# Altium PCB Ascii of Main Board V1.1.PcbDoc (part 3 of 3)
Units mm, origin at the board's own origin, x right, y up, seen from the top; angles counter-clockwise.
Board outline 116 x 140 mm, 2 copper layers (Top Layer, Bottom Layer), stack 1.58 mm thick; 266 components, 218 nets, 891 pads, 555 vias.
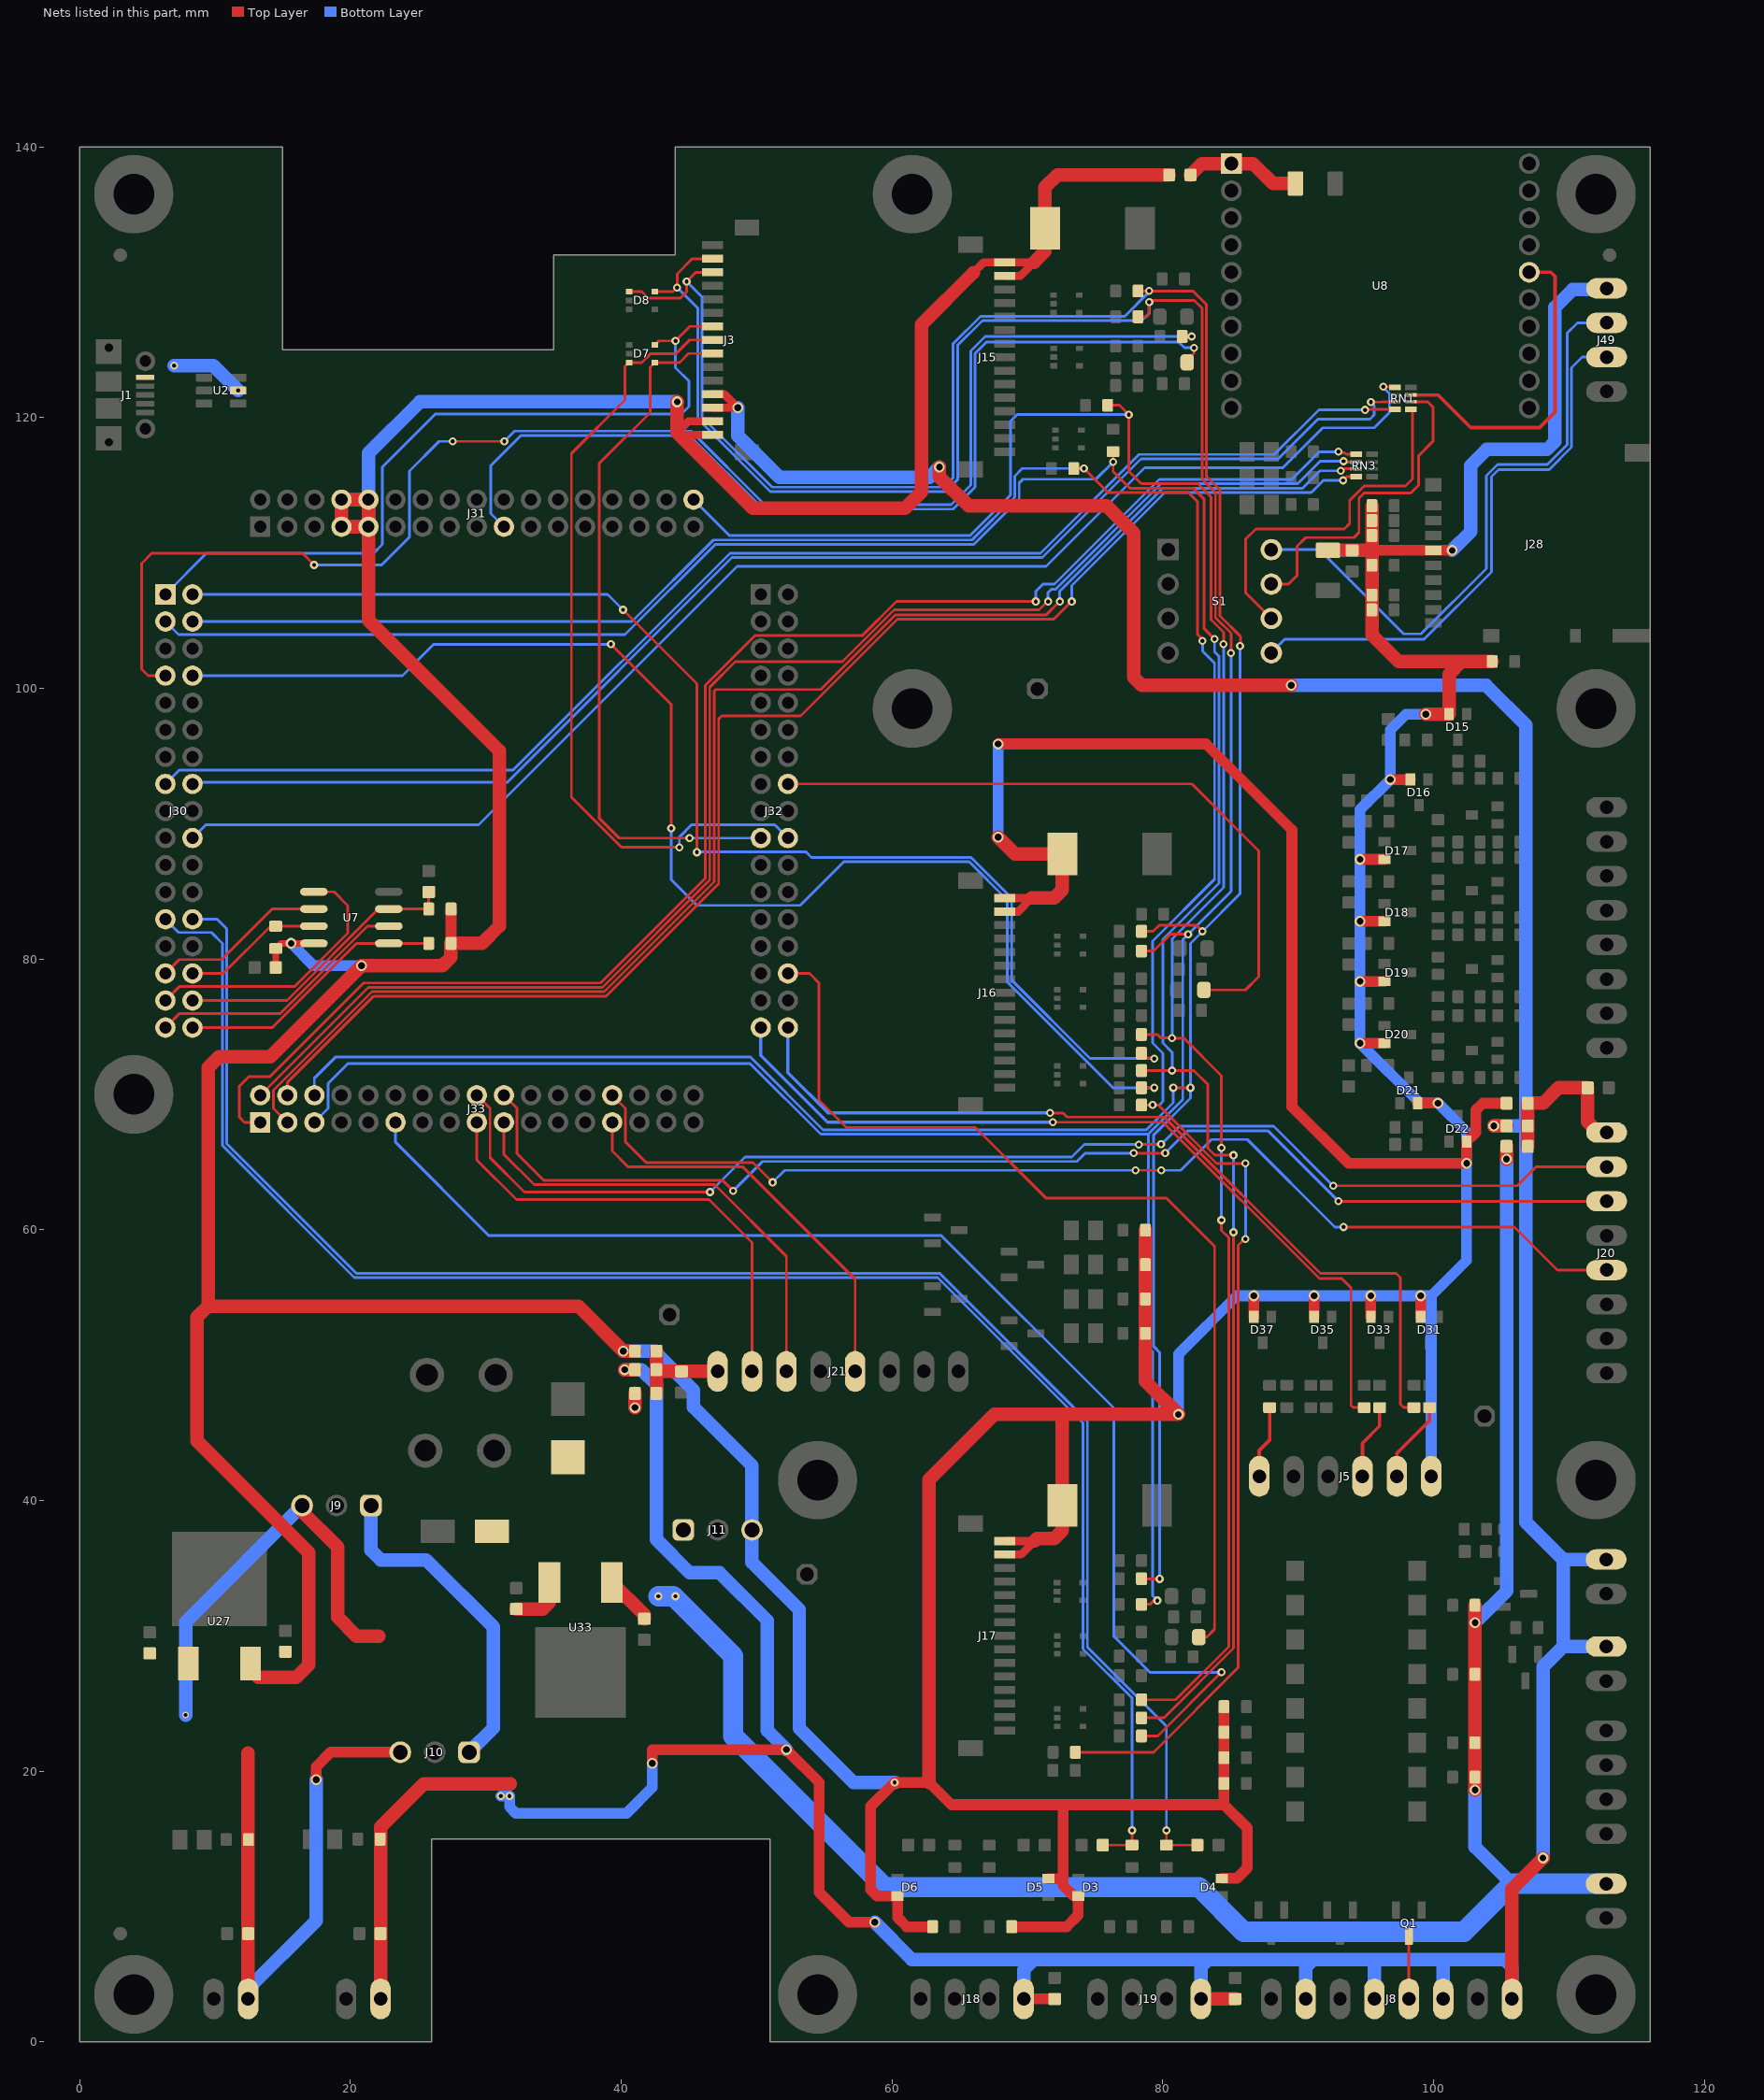
[diagram p3: the nets of this part, all layers, seen from the top]

## Via types
v1: diameter 0.6, hole 0.3, Top Layer to Bottom Layer, tented both sides, 520 vias
v2: diameter 0.8, hole 0.5, Top Layer to Bottom Layer, tented both sides, 34 vias
v3: diameter 0.5, hole 0.3, Top Layer to Bottom Layer, 1 vias

## Nets (pads, with @x,y where several pads share a name; then routed paths per layer and width w, separated by ;. In a path a pad name is that pad's centre, name@x,y a point inside that pad or via, vN(x,y) a via of type N, cw(c..) or ccw(c..) an arc to the next point about the centre after c; other vN are vias at no path point) (continued)
PD30: C56.2 J30.25 R48.1 | length 126.8
  Top Layer w0.2: C56.2@75.565,14.541 R48.1@77.724,14.541 v1(77.724,15.621)
  Bottom Layer w0.2: J30.25@6.337,82.932 7.312,81.957 9.737,81.957 10.547,81.147 10.547,66.209 20.294,56.462 63.364,56.462 74.108,45.718 74.108,29.025 77.724,25.409 v1(77.724,15.621)
PE0: J30.2 R84.1 | length 97.2
  Top Layer w0.2: v1(40.132,105.791) 45.593,100.33 v1(45.593,87.884) ; R84.1@78.422,73.025 78.422,72.997 78.722,72.697 79.322,72.697 v1(79.375,72.644)
  Bottom Layer w0.2: J30.2@8.337,106.932 38.991,106.932 v1(40.132,105.791) ; v1(45.593,87.884) 45.616,87.907 53.65,87.907 54.054,87.503 65.837,87.503 68.84,84.5 68.84,78.432 74.628,72.644 v1(79.375,72.644)
PE1: D7.5 J3.7 J30.1 | length 57.9
  Top Layer w0.2: D7.5@42.479,125.364 42.779,125.664 v1(44.008,125.664) 45.075,126.731 J3.7@46.753,126.731
  Bottom Layer w0.2: J30.1@6.337,106.932 9.387,109.982 21.717,109.982 22.362,110.627 22.362,116.342 26.289,120.269 44.45,120.269 45.002,120.821 45.002,122.691 44.008,123.686 v1(44.008,125.664)
PE2: J30.7 R87.2 | length 109
  Top Layer w0.2: J30.7@6.337,100.932 5.052,100.932 4.572,101.412 4.572,109.22 5.334,109.982 16.445,109.982 v1(17.32,109.106) ; v1(27.559,118.237) v1(31.369,118.237) ; R87.2@81.428,125.984 v1(82.127,125.984)
  Bottom Layer w0.2: v1(17.32,109.106) 22.312,109.106 24.362,111.157 24.362,116.05 26.549,118.237 v1(27.559,118.237) ; v1(31.369,118.237) 32.131,118.999 45.161,118.999 50.604,113.556 64.366,113.556 65.816,115.006 65.816,124.871 65.825,124.88 65.825,124.929 66.881,125.984 v1@82.296,125.984
PE3: J30.8 R95.1 | length 100.3
  Top Layer w0.2: v1(39.243,103.251) 43.688,98.806 v1(43.688,89.662) ; R95.1@78.422,70.485 v1(79.375,70.485)
  Bottom Layer w0.2: J30.8@8.337,100.932 23.843,100.932 26.162,103.251 v1(39.243,103.251) ; v1(43.688,89.662) 43.688,85.854 45.585,83.957 53.223,83.957 56.444,87.178 65.702,87.178 68.515,84.365 68.515,78.297 76.327,70.485 v1(79.375,70.485)
PE4: C57.2 J30.26 R49.1 | length 126.8
  Top Layer w0.2: v1(80.264,15.621) R49.1@80.264,14.541 C57.2@82.55,14.541
  Bottom Layer w0.2: J30.26@8.337,82.932 10.159,82.932 10.872,82.219 10.872,66.344 20.429,56.787 63.498,56.787 74.433,45.852 74.433,29.159 80.264,23.328 v1(80.264,15.621)
PE5: J33.11 R94.1 | length 96.4
  Top Layer w0.2: R94.1@78.422,22.606 79.629,22.606 v1(84.328,27.305)
  Bottom Layer w0.2: J33.11@23.337,67.932 23.337,66.452 30.209,59.58 63.626,59.58 76.383,46.823 76.383,29.967 79.045,27.305 v1(84.328,27.305)
PUL-: J8.4 Q1.3 | length 4.6
  Top Layer w0.2: J8.4@98.171,3.175 Q1.3@98.171,7.783
QCS: J30.34 R101.1 U7.1 | length 20
  Top Layer w0.2: J30.34@8.337,74.932 14.226,74.932 20.447,81.153 U7.1@22.836,81.153 R101.1@25.781,81.153
QIO0: J30.31 U7.5 | length 20.5
  Top Layer w0.2: J30.31@6.337,76.932 7.362,77.957 15.872,77.957 19.812,81.897 19.812,83.947 18.796,84.963 U7.5@17.301,84.963
QIO1: J30.33 U7.2 | length 19.6
  Top Layer w0.2: J30.33@6.337,74.932 7.362,75.957 14.791,75.957 21.257,82.423 U7.2@22.836,82.423
QIO2: C28.2 J30.32 R26.1 U7.3 | length 21.5
  Top Layer w0.2: J30.32@8.337,76.932 15.307,76.932 22.068,83.693 U7.3@22.836,83.693 R26.1@25.784,83.693 C28.2@25.784,84.95
QIO3: J30.30 R25.1 U7.7 | length 10.4
  Top Layer w0.2: J30.30@8.337,78.932 10.606,78.932 14.097,82.423 R25.1@14.481,82.423 U7.7@17.301,82.423
QSCK: J30.29 U7.6 | length 12.9
  Top Layer w0.2: J30.29@6.337,78.932 7.362,79.957 10.488,79.957 14.224,83.693 U7.6@17.301,83.693
RN1SJ1: RN1.2 S1.2B | length 24.7
  Top Layer w0.2: S1.2B@88.011,107.696 89.281,107.696 89.916,108.331 89.916,110.49 90.551,111.125 94.107,111.125 94.488,111.506 94.488,114.046 94.869,114.427 98.316,114.427 98.902,115.013 98.902,117.19 99.949,118.237 99.949,120.777 99.56,121.166 RN1.2@98.315,121.166
RN1SJ2: RN1.1 S1.3B | length 27
  Top Layer w0.2: S1.3B@88.011,105.156 86.106,107.061 86.106,110.998 86.868,111.76 93.398,111.76 93.801,112.163 93.801,113.867 94.869,114.935 97.917,114.935 98.442,115.46 98.442,120.486 98.337,120.591 RN1.1@98.315,120.591
RTS: RN1.3 U8.16 | length 24.2
  Top Layer w0.254: RN1.3@98.315,121.666 100.33,121.666 102.743,119.253 107.823,119.253 108.966,120.396 108.966,130.417 108.649,130.734 U8.16@107.061,130.734
RTS0: J30.20 RN1.5 | length 104.4
  Top Layer w0.2: v1(96.285,122.27) 96.3,122.256 97.14,122.256 RN1.5@97.155,122.241
  Bottom Layer w0.2: J30.20@8.337,88.932 9.321,89.916 29.464,89.916 48.554,109.006 71.367,109.006 78.655,116.294 88.862,116.294 91.806,119.238 95.616,119.238 96.735,120.357 96.735,121.772 96.285,122.222 v1(96.285,122.27)
RTS1: J20.5 J33.28 | length 82.8
  Top Layer w0.2: J33.28@39.337,69.932 40.312,68.957 40.312,66.495 41.85,64.957 49.724,64.957 v1(51.181,63.5) ; v1(77.978,64.389) v1(79.883,64.389) ; v1(93.345,60.198) 105.974,60.198 109.149,57.023 J20.5@112.776,57.023
  Bottom Layer w0.2: v1(51.181,63.5) 52.07,64.389 v1(77.978,64.389) ; v1(79.883,64.389) 81.317,64.389 83.592,66.664 86.244,66.664 92.71,60.198 v1(93.345,60.198)
RTS2: J21.5 J33.27 | length 30.8
  Top Layer w0.2: J33.27@39.337,67.932 39.337,65.819 40.524,64.632 48.987,64.632 57.277,56.342 J21.5@57.277,49.53
RTSJP1: J5.6 R169.1 | length 5.4
  Top Layer w0.254: J5.6@87.122,41.783 87.122,43.688 87.884,44.45 R169.1@87.884,46.863
RX: J49.3 S1.4B | length 41.4
  Bottom Layer w0.2: S1.4B@88.011,102.616 89.027,103.632 99.314,103.632 104.267,108.585 104.267,115.628 104.793,116.154 108.534,116.154 110.18,117.8 110.18,123.672 110.968,124.46 J49.3@112.776,124.46
RXD0: J30.15 RN1.8 | length 102.3
  Top Layer w0.2: v1(94.931,120.564) 94.958,120.591 RN1.8@97.155,120.591
  Bottom Layer w0.2: J30.15@6.337,92.932 7.362,93.957 32.011,93.957 48.035,109.981 70.963,109.981 78.256,117.274 88.231,117.274 91.535,120.578 94.917,120.578 v1(94.931,120.564)
RXD1: J20.3 J33.20 | length 90.3
  Top Layer w0.2: J33.20@31.337,69.932 32.312,68.957 32.312,65.605 34.26,63.657 47.468,63.657 v1(48.26,62.865) ; v1(77.851,65.659) v1(80.183,65.659) ; v1(92.964,62.103) J20.3@112.776,62.103
  Bottom Layer w0.2: v1(48.26,62.865) 50.434,65.039 73.663,65.039 74.283,65.659 v1(77.851,65.659) ; v1(80.183,65.659) 81.838,67.314 87.753,67.314 v1(92.964,62.103)
RXD2: J21.3 J33.19 | length 34.9
  Top Layer w0.2: J33.19@31.337,67.932 31.337,65.564 33.569,63.332 46.904,63.332 52.197,58.039 J21.3@52.197,49.53
RXJP1: J5.3 R165.1 | length 5.6
  Top Layer w0.254: J5.3@94.742,41.783 94.742,44.232 96.012,45.502 R165.1@96.012,46.863
SCL0/STAT1: D7.4 J3.9 J32.19 | length 52.5
  Top Layer w0.2: v1(45.043,88.932) 39.846,88.932 38.362,90.416 38.362,116.594 42.133,120.365 42.133,123.718 D7.4@42.479,124.064 44.308,124.064 44.975,124.731 J3.9@46.753,124.731
  Bottom Layer w0.2: v1(45.043,88.932) J32.19@50.308,88.932
SCL2: D8.1 J3.3 J33.6 R4.1 R22.1 R42.1 | length 245.3
  Top Layer w0.2: D8.1@40.579,129.301 41.514,129.301 41.99,128.825 44.37,128.825 44.831,129.286 v1(44.831,130.048) 45.514,130.731 J3.3@46.753,130.731 ; R4.1@78.168,129.347 v1(78.994,129.347) 82.235,129.347 83.226,128.356 83.226,115.652 84.216,114.662 84.216,105.347 85.725,103.838 85.725,103.141 v1(85.708,103.124) ; R42.1@78.422,34.22 78.438,34.203 v1@79.47,34.203 ; R22.1@78.422,82.042 79.292,82.042 79.75,82.5 82.473,82.5 v1(82.931,82.042) ; v1(80.772,70.485) v1(82.042,70.485)
  Bottom Layer w0.2: J33.6@17.337,69.932 17.337,71.185 18.923,72.771 49.53,72.771 54.92,67.381 78.777,67.381 80.772,69.376 v1(80.772,70.485) ; v1(44.831,130.048) 45.974,128.905 45.974,120.025 51.143,114.856 63.827,114.856 64.516,115.545 64.516,125.458 66.54,127.482 77.19,127.482 v1@78.994,129.286 ; v1(79.766,34.203) 79.766,50.929 79.329,51.366 79.329,67.014 82.042,69.727 v1(82.042,70.485) 82.042,81.153 v1(82.931,82.042) 85.708,84.819 v1(85.708,103.124)
SDA0/STAT2: D7.3 J3.8 J32.20 | length 59.8
  Top Layer w0.2: v1(44.295,88.249) 40.021,88.249 36.322,91.948 36.322,117.348 40.274,121.3 40.274,123.759 D7.3@40.579,124.064 41.514,124.064 42.15,124.7 44.023,124.7 45.055,125.731 J3.8@46.753,125.731
  Bottom Layer w0.2: v1(44.295,88.249) 44.295,89.003 45.199,89.907 51.333,89.907 J32.20@52.308,88.932
SDA2: D8.5 J3.2 J33.5 R12.1 R24.1 R45.1 | length 240.7
  Top Layer w0.2: D8.5@42.479,129.301 43.83,129.301 v1(44.13,129.601) 44.13,130.617 45.244,131.731 J3.2@46.753,131.731 ; R12.1@78.171,127.444 78.811,127.444 78.971,127.604 78.971,128.496 v1(79,128.525) 79.126,128.651 82.323,128.651 82.901,128.073 82.901,115.447 83.891,114.457 83.891,105.212 85.04,104.063 v1(85.04,102.591) ; R45.1@78.422,32.32 79.056,32.32 v1@79.34,32.604 ; R24.1@78.422,80.584 79.314,80.584 80.555,81.825 v1(81.875,81.825)
  Bottom Layer w0.2: J33.5@17.337,67.932 18.362,68.957 18.362,70.813 19.812,72.263 49.53,72.263 54.737,67.056 78.925,67.056 ; v1(44.13,129.601) 45.649,128.082 45.649,119.89 51.008,114.531 63.962,114.531 64.841,115.41 64.841,125.323 66.674,127.157 78.462,127.157 79,127.694 v1(79,128.525) ; v1(79.594,32.604) 79.241,32.956 79.241,50.994 78.925,51.311 78.925,67.056 ; v1(85.04,102.591) 85.04,84.99 v1(81.875,81.825) 81.475,81.425 81.475,69.62 78.925,67.07 78.925,67.056
SPI0_MISO: J33.4 RN3.8 | length 106.3
  Top Layer w0.2: J33.4@15.337,69.932 15.337,70.871 21.723,77.257 38.885,77.257 47.192,85.564 47.192,97.738 47.411,97.957 53.253,97.957 60.396,105.1 71.953,105.1 73.262,106.409 v1(73.279,106.409) ; v1(93.305,115.356) 93.314,115.356 93.593,115.634 RN3.8@94.289,115.634
  Bottom Layer w0.2: v1(73.279,106.409) 73.279,107.595 80.141,114.457 90.962,114.457 91.861,115.356 v1(93.305,115.356)
SPI0_MOSI: J33.2 RN3.6 | length 109.1
  Top Layer w0.2: J33.2@13.337,69.932 21.312,77.907 38.616,77.907 46.542,85.833 46.542,100.085 48.414,101.957 56.334,101.957 60.168,105.791 70.866,105.791 71.484,106.409 v1(71.528,106.409) ; v1(93.345,116.771) 93.426,116.771 93.489,116.709 RN3.6@94.289,116.709
  Bottom Layer w0.2: v1(71.528,106.409) 71.528,107.065 71.763,107.3 72.065,107.3 79.872,115.107 89.961,115.107 91.625,116.771 v1(93.345,116.771)
SPI0_NPCS1: J33.3 RN3.7 | length 110.5
  Top Layer w0.2: J33.3@15.337,67.932 14.312,68.957 14.312,70.305 21.589,77.582 38.75,77.582 46.867,85.698 46.867,99.784 46.99,99.907 54.743,99.907 60.261,105.425 71.389,105.425 72.373,106.409 v1(72.39,106.409) ; v1(93.151,116.064) 93.259,116.064 93.404,116.209 RN3.7@94.289,116.209
  Bottom Layer w0.2: v1(72.39,106.409) 72.39,107.165 80.007,114.782 90.332,114.782 91.614,116.064 v1(93.151,116.064)
SPI0_SPCK: J33.1 RN3.5 | length 114.8
  Top Layer w0.2: J33.1@13.337,67.932 12.17,67.932 11.806,68.296 11.806,70.617 12.483,71.294 14.046,71.294 20.984,78.232 38.481,78.232 46.217,85.968 46.217,100.22 49.904,103.907 57.824,103.907 60.326,106.409 v1(70.623,106.409) ; v1(92.964,117.475) 93.041,117.398 93.44,117.398 93.554,117.284 RN3.5@94.289,117.284
  Bottom Layer w0.2: v1(70.623,106.409) 70.623,107.162 71.153,107.692 71.997,107.692 79.738,115.432 89.524,115.432 91.567,117.475 v1(92.964,117.475)
SPI1_MISO: J30.3 R19.1 R39.1 R55.1 | length 187.6
  Top Layer w0.2: R19.1@76.327,117.476 v1(76.327,116.713) 76.327,116.014 77.559,114.782 82.233,114.782 83.058,113.957 83.058,104.394 v1(83.82,103.632) ; R55.1@78.422,23.933 80.067,23.933 85.217,29.083 v1(85.217,59.817) ; R39.1@78.427,71.759 v1(80.687,71.759) 82.292,71.759 83.312,70.739 83.312,66.027 83.836,65.502 v1(85.217,65.502)
  Bottom Layer w0.2: J30.3@6.337,104.932 7.312,103.957 40.282,103.957 46.955,110.631 66.037,110.631 69.391,113.985 69.391,115.17 69.664,115.443 75.057,115.443 v1(76.327,116.713) ; v1(80.687,71.759) 80.687,73.11 80.003,73.794 80.003,81.453 84.145,85.595 84.145,102.359 83.82,102.684 v1(83.82,103.632) ; v1(85.217,59.817) v1(85.217,65.502)
SPI1_MOSI: J30.4 R21.1 R41.1 R59.1 | length 191.1
  Top Layer w0.2: R21.1@73.42,116.234 v1(74.168,116.234) 75.945,114.457 81.89,114.457 82.555,113.792 82.555,103.977 82.931,103.601 v1(82.931,103.505) ; R59.1@73.547,21.398 79.31,21.398 85.564,27.652 85.564,58.848 86.025,59.309 v1(86.106,59.309) ; R41.1@78.422,69.215 v1(79.248,69.215) 79.664,69.215 83.982,64.897 v1(86.106,64.897)
  Bottom Layer w0.2: J30.4@8.337,104.932 40.797,104.932 46.821,110.956 65.902,110.956 69.066,114.12 69.066,115.675 69.625,116.234 v1(74.168,116.234) ; v1(79.248,69.215) 79.756,69.215 80.01,69.469 80.01,73.025 79.248,73.787 79.248,81.323 83.82,85.895 83.82,101.854 82.931,102.743 v1(82.931,103.505) ; v1(86.106,59.309) v1(86.106,64.897)
SPI1_NPCS0: J31.19 R16.2 | length 72.5
  Top Layer w0.2: R16.2@81.625,124.075 82.3,124.75 v1(82.3,125.15)
  Bottom Layer w0.2: J31.19@31.337,111.932 30.362,112.907 30.362,116.445 32.591,118.674 45.026,118.674 50.47,113.231 64.5,113.231 66.141,114.872 66.141,124.736 66.993,125.588 81.162,125.588 81.6,125.15 v1(82.3,125.15)
SPI1_NPCS1: J32.30 R52.2 | length 74.6
  Top Layer w0.2: J32.30@52.308,78.932 53.91,78.932 54.61,78.232 54.61,69.578 56.633,67.555 66.158,67.555 71.392,62.321 80.282,62.321 83.82,58.783 83.82,30.48 83.242,29.902 R52.2@82.661,29.902
SPI1_NPCS2: J32.16 R32.2 | length 50.6
  Top Layer w0.2: J32.16@52.308,92.932 52.31,92.934 82.139,92.934 87.081,87.992 87.081,78.699 86.096,77.714 R32.2@83.042,77.714
SPI1_SPCK: J31.34 R20.2 R40.2 R56.2 | length 152.6
  Top Layer w0.2: R20.2@75.93,120.904 76.794,120.904 v1(77.486,120.212) 77.486,116.027 78.406,115.107 82.591,115.107 83.566,114.132 83.566,105.061 84.487,104.14 v1(84.487,103.256) ; R40.2@78.422,74.422 79.605,74.422 79.865,74.162 80.68,74.162 v1(80.691,74.151) 81.551,74.151 84.328,71.374 v1(84.328,66.04) ; R56.2@78.422,25.273 80.947,25.273 84.866,29.192 84.866,59.411 84.328,59.95 v1(84.328,60.706)
  Bottom Layer w0.2: J31.34@45.337,113.932 47.988,111.281 65.768,111.281 68.741,114.254 68.741,119.716 69.237,120.212 v1(77.486,120.212) ; v1(80.691,74.151) 80.691,81.491 84.487,85.287 v1(84.487,103.256) ; v1(84.328,60.706) v1(84.328,66.04)
TX: J49.2 S1.1B | length 45.7
  Bottom Layer w0.2: S1.1B@88.011,110.236 91.565,110.236 97.788,104.013 99.06,104.013 103.886,108.839 103.886,115.706 104.714,116.534 108.406,116.534 109.855,117.983 109.855,126.238 110.617,127 J49.2@112.776,127
TXD0: J30.16 RN1.7 | length 101.4
  Top Layer w0.2: v1(95.372,121.139) 96.176,121.139 96.203,121.166 RN1.7@97.155,121.166
  Bottom Layer w0.2: J30.16@8.337,92.932 8.45,93.045 31.577,93.045 48.188,109.656 71.097,109.656 78.391,116.949 88.518,116.949 91.457,119.888 95.302,119.888 95.62,120.206 95.62,120.891 v1(95.372,121.139)
TXD1: J20.2 J33.18 | length 92.9
  Top Layer w0.2: J33.18@29.337,69.932 30.312,68.957 30.312,65.319 32.846,62.785 v1(46.56,62.785) ; v1(78.232,66.294) 78.242,66.304 79.863,66.304 v1(79.873,66.315) ; v1(92.583,63.246) 106.172,63.246 107.569,64.643 J20.2@112.776,64.643
  Bottom Layer w0.2: v1(46.56,62.785) 49.139,65.364 73.273,65.364 74.203,66.294 v1(78.232,66.294) ; v1(79.873,66.315) 79.904,66.315 81.228,67.639 88.19,67.639 v1(92.583,63.246)
TXD2: J21.2 J33.17 | length 35.2
  Top Layer w0.2: J33.17@29.337,67.932 29.337,65.151 32.258,62.23 46.482,62.23 49.657,59.055 J21.2@49.657,49.53
TXJP1: J5.2 R163.1 | length 6.1
  Top Layer w0.254: J5.2@97.282,41.783 97.282,43.491 99.695,45.904 R163.1@99.695,46.863
URXD1: J32.33 R166.1 | length 62.5
  Top Layer w0.2: v1(71.882,67.945) 80.015,67.945 91.572,56.388 93.218,56.388 93.902,55.704 93.902,47.012 94.051,46.863 R166.1@94.869,46.863
  Bottom Layer w0.254: J32.33@50.308,74.932 50.308,72.882 55.245,67.945 v1(71.882,67.945)
UTXD1: J32.34 R164.1 | length 65.3
  Top Layer w0.2: v1(71.669,68.638) 71.682,68.625 72.637,68.625 72.938,68.324 80.095,68.324 91.65,56.769 97.237,56.769 97.536,56.47 97.536,47.117 97.79,46.863 R164.1@98.552,46.863
  Bottom Layer w0.254: J32.34@52.308,74.932 52.308,71.602 55.285,68.625 71.656,68.625 v1(71.669,68.638)
VBUS: J1.1 U2.5 | length 5.5
  Bottom Layer w1: v1(6.985,123.825) 9.876,123.825 v1(11.71,121.991)
VCC: C34.2 L17.1 U8.1 | length 8.7
  Top Layer w1: L17.1@82.042,137.922 82.88,138.76 U8.1@85.065,138.76 86.665,138.76 88.138,137.287 C34.2@89.789,137.287
VDD_3.3V: C2.2 C35.2 C78.2 C86.2 C155.2 D3.2 D4.2 D5.2 D6.2 D15.2 D16.2 D17.2 D18.2 D19.2 D20.2 D21.2 D22.2 D31.2 D33.2 D35.2 D37.2 D46.1 D48.1 D50.1 J3.14 J3.15 J5.1 J10.3 J11.3 J15.14 J15.15 J16.14 J16.15 J17.14 J17.15 J28.4 J31.7 J31.8 J31.9 J31.10 J49.1 J51.1 L4.2 L5.1 L17.2 R1.2 R2.2 R5.2 R6.2 R8.2 R9.2 R10.2 R25.2 R26.2 R29.2 R34.2 R60.1 R61.1 R62.1 R65.1 R73.1 R86.1 R101.2 R128.2 R157.2 R158.1 U7.8 U27.2 | length 755.3
  Top Layer w0.5: C78.2@14.481,79.375 R25.2@14.481,80.773 14.861,81.153 v2(15.621,81.153) U7.8@17.301,81.153
  Top Layer w0.6: 44.135,118.903 44.964,119.731 J3.14@46.753,119.731 ; 44.306,118.731 J3.15@46.753,118.731 ; 65.993,130.685 66.769,131.461 J15.15@68.328,131.461 70.482,131.461 69.482,130.461 J15.14@68.328,130.461 ; J17.14@68.328,36 69.528,36 70.528,37 J17.15@68.328,37 ; J16.14@68.328,83.5 69.313,83.5 70.313,84.5 J16.15@68.328,84.5
  Top Layer w0.8: v2(17.468,19.369) 17.468,20.321 18.547,21.4 J10.3@23.685,21.4 ; R101.2@27.431,81.153 27.431,82.828 27.434,82.831 R26.2@27.434,83.693 ; R158.1@62.993,8.509 61.087,8.509 60.414,9.182 D6.2@60.414,10.779 58.889,10.779 58.42,11.248 58.42,17.399 v1(60.194,19.173) 62.738,19.173 62.742,19.173 64.389,17.526 72.654,17.526 ; v2@67.844,95.885 83.185,95.885 89.535,89.535 89.535,69.088 93.726,64.897 v2(102.441,64.897) D22.2@102.441,66.51 103.124,67.193 103.124,68.834 103.632,69.342 L4.2@105.384,69.342 ; R157.2@68.833,8.509 72.898,8.509 73.749,9.36 D3.2@73.749,10.779 73.422,10.779 72.644,11.557 72.644,12.063 ; D5.2@71.555,12.063 72.644,12.063 ; D4.2@84.366,12.079 85.474,12.079 86.233,12.838 86.233,15.804 84.511,17.526 ; R29.2@84.511,22.876 84.511,24.757 R34.2@84.519,24.765 ; R29.2@84.519,22.876 R2.2@84.519,20.987 84.511,20.979 R1.2@84.511,19.098 84.511,17.526 ; D37.2@86.726,53.548 v2(86.726,55.118) ; D35.2@91.171,53.548 v2(91.171,55.118) ; v2(94.568,73.772) D20.2@96.355,73.772 ; v2(94.568,78.344) D19.2@96.355,78.344 ; v2(94.568,82.789) D18.2@96.355,82.789 ; v2(94.568,87.361) D17.2@96.355,87.361 ; D33.2@95.362,53.548 v2(95.362,55.118) ; 95.441,110.186 J28.4@99.967,110.186 v2(101.369,110.186) ; v2(96.796,93.256) D16.2@98.283,93.256 ; D21.2@98.821,69.347 v2(100.33,69.347) ; D31.2@99.045,53.548 v2(99.045,55.118) ; 72.644,12.063 72.644,17.516 72.654,17.526 ; 72.654,17.526 84.511,17.526
  Top Layer w1: J51.1@12.446,3.175 C35.2@12.446,8.001 12.446,21.346 ; U27.2@13.175,26.925 16.003,26.925 16.925,27.847 16.925,36.15 8.677,44.398 8.677,53.536 9.497,54.356 ; L5.1@41.019,51.031 v2(40.155,51.031) 36.83,54.356 9.497,54.356 ; v2(44.135,121.158) 44.135,118.903 44.306,118.731 49.728,113.31 60.966,113.31 62.175,114.519 62.175,126.868 65.993,130.685 ; 62.738,19.173 62.738,41.529 67.564,46.355 72.573,46.355 ; v2(67.835,89) 69.078,87.757 D48.1@72.573,87.757 72.573,85.086 71.987,84.5 70.313,84.5 ; 70.482,131.461 71.303,132.283 D46.1@71.303,133.985 71.303,137.01 72.215,137.922 L17.2@80.467,137.922 ; 70.528,37 70.71,37.182 71.989,37.182 72.575,37.768 72.575,39.622 D50.1@72.573,39.624 72.573,46.355 ; R10.2@78.708,59.962 78.708,54.882 R5.2@78.708,52.342 78.708,48.8 v2(81.153,46.355) 72.573,46.355 ; C86.2@92.202,110.186 C155.2@93.98,110.186 95.441,110.186 ; R60.1@95.441,113.486 R61.1@95.441,112.386 R62.1@95.441,111.286 95.441,110.186 ; v2(99.418,98.082) D15.2@101.141,98.082 101.141,101.06 102.062,101.981 ; R65.1@104.331,101.981 102.062,101.981 ; 9.497,54.356 9.497,71.981 10.292,72.776 14.102,72.776 v2(20.828,79.502) 26.797,79.502 27.431,80.136 R101.2@27.431,81.153 29.718,81.153 30.988,82.423 30.988,95.377 21.337,105.028 J31.9@21.337,111.932 ; J31.9@21.337,111.932 J31.10@21.337,113.932 J31.8@19.337,113.932 J31.7@19.337,111.932 J31.9@21.337,111.932 ; 95.441,110.186 R86.1@95.441,109.086 R73.1@95.441,105.786 95.441,103.949 97.409,101.981 102.062,101.981
  Bottom Layer w0.8: v2(15.621,81.153) 17.272,79.502 v2(20.828,79.502) ; v2(67.835,89) v2@67.835,95.87 ; v2(81.153,46.355) 81.153,50.815 85.456,55.118 v2(86.726,55.118) v2(91.171,55.118) v2(95.362,55.118) v2(99.045,55.118) 99.824,55.118 ; v2(99.418,98.082) 97.955,98.082 96.796,96.923 v2(96.796,93.256) 94.568,91.028 v2(94.568,87.361) v2(94.568,82.789) v2(94.568,78.344) v2(94.568,73.772) 98.993,69.347 v2(100.33,69.347) 102.441,67.236 v2(102.441,64.897) 102.441,57.736 99.824,55.118 ; J5.1@99.822,41.783 99.822,55.116 99.824,55.118
  Bottom Layer w1: J51.1@12.446,3.175 12.446,3.929 17.468,8.951 v2(17.468,19.369) ; J31.7@19.337,111.932 J31.9@21.337,111.932 J31.10@21.337,113.932 ; J31.8@19.337,113.932 J31.10@21.337,113.932 ; v2(40.155,51.031) 42.447,51.031 45.346,48.132 45.346,46.886 49.662,42.571 J11.3@49.662,37.823 49.662,35.433 53.15,31.946 53.15,23.177 57.154,19.173 v1(60.194,19.173) ; v2(44.135,121.158) 25.13,121.158 21.337,117.365 J31.10@21.337,113.932 ; v2(101.369,110.186) 102.743,111.56 102.743,116.459 103.92,117.636 108.38,117.636 108.966,118.222 108.966,128.133 110.276,129.443 112.679,129.443 J49.1@112.776,129.54
  other v2: 67.844,95.88
VDD_5V: C4.2 C33.2 C61.2 C63.2 J3.12 J3.13 J8.1 J8.3 J8.5 J8.7 J9.1 J10.1 J18.1 J19.1 J47.1 J48.1 J52.1 L6.2 L7.1 R13.2 U33.3 | length 388.6
  Top Layer w0.6: J3.13@46.753,120.731 v2(48.613,120.731) ; J3.12@46.753,121.731 47.613,121.731 v2(48.613,120.731) ; v2@48.641,120.704 v2(48.613,120.731)
  Top Layer w0.8: v2(42.291,20.574) 42.291,21.591 v2(52.196,21.591) 54.61,19.177 54.61,11.049 56.819,8.84 58.718,8.84 v2(58.722,8.836) ; J18.1@69.723,3.175 C63.2@72.009,3.175
  Top Layer w1: J52.1@22.225,3.175 C33.2@22.225,8.001 22.225,14.7 22.225,15.875 25.405,19.055 31.816,19.055 ; C4.2@32.25,31.975 34.2,31.975 34.7,32.475 U33.3@34.7,33.95 ; v2(40.259,49.657) L7.1@41.019,49.657 ; v2(63.5,116.332) 63.5,115.619 65.654,113.465 75.848,113.465 77.851,111.462 77.851,100.8 78.437,100.214 v2(89.482,100.214) ; J19.1@82.804,3.175 C61.2@85.344,3.175 ; v2(104.448,67.666) 104.45,67.667 L6.2@105.384,67.667 ; J8.1@105.791,3.175 105.791,11.303 v2(108.077,13.589)
  Bottom Layer w0.8: v1(31.115,18.161) v1(31.75,18.161) 31.75,17.36 32.219,16.891 40.386,16.891 42.291,18.796 v2(42.291,20.574)
  Bottom Layer w1: J9.1@21.515,39.625 21.515,36.335 22.25,35.6 25.6,35.6 30.55,30.65 30.55,23.185 J10.1@28.765,21.4 ; v2(40.259,49.657) 41.497,49.657 42.594,48.56 42.594,37.106 45.05,34.65 47.275,34.65 50.8,31.125 50.8,22.987 v2(52.196,21.591) ; v2@48.613,120.717 48.613,118.646 51.678,115.581 62.749,115.581 v2(63.5,116.332) ; v2(58.722,8.836) 61.463,6.096 70.485,6.096 ; J18.1@69.723,3.175 69.723,5.334 70.485,6.096 ; J19.1@82.804,3.175 82.804,5.51 83.39,6.096 ; v2(89.482,100.214) 89.493,100.203 103.886,100.203 106.807,97.282 106.807,67.601 ; J8.7@90.551,3.175 90.551,5.51 91.137,6.096 ; J8.5@95.631,3.175 95.631,5.917 95.452,6.096 ; J8.3@100.711,3.175 100.711,5.987 100.602,6.096 ; v2(104.448,67.666) 106.742,67.666 106.807,67.601 ; J8.1@105.791,3.175 105.791,5.51 105.205,6.096 100.602,6.096 ; v2(108.077,13.589) 108.077,27.716 109.571,29.21 ; J48.1@112.741,29.21 109.571,29.21 ; J47.1@112.741,35.639 109.571,35.639 ; 70.485,6.096 83.39,6.096 ; 83.39,6.096 91.137,6.096 ; 91.137,6.096 95.452,6.096 ; 95.452,6.096 100.602,6.096 ; 106.807,67.601 106.807,38.403 109.571,35.639 ; 109.571,29.21 109.571,35.639
VDD_SYS: C1.2 C3.2 D1.1 D2.1 J6.1 J9.3 J11.1 L2.2 L3.1 R3.2 R11.2 R35.2 R36.2 U27.1 U33.1 | length 179.8
  Top Layer w1: J9.3@16.435,39.625 16.435,39.165 19.05,36.55 19.05,31.375 20.45,29.975 22.1,29.975 ; U33.1@39.3,33.95 41.7,31.55 C3.2@41.7,31.25 ; L3.1@41.019,47.907 41.019,46.865 v2(41.021,46.863) ; v2(103.06,18.605) R3.2@103.06,19.558 R11.2@103.06,22.098 R35.2@103.06,27.158 v2(103.06,30.978) R36.2@103.06,32.258 ; v2(105.384,65.207) L2.2@105.384,66.155
  Bottom Layer w1: v3(7.825,24.15) 7.825,31.015 J9.3@16.435,39.625 ; v2(103.06,18.605) 103.06,14.415 105.791,11.684 ; v2(103.06,30.978) 105.384,33.302 v2(105.384,65.207)
  Bottom Layer w1.5: v1(42.75,32.925) 43.85,32.925 48.26,28.515 48.26,22.606 59.437,11.429 82.678,11.429 85.979,8.128 102.235,8.128 105.791,11.684 J6.1@112.741,11.684
  other v1: 44,32.925
VDD_UART1: C68.1 J20.1 L2.1 L4.1 L6.1 | length 12.3
  Top Layer w1: L2.1@106.959,66.155 L6.1@106.959,67.667 L4.1@106.959,69.342 108.077,69.342 109.22,70.485 C68.1@111.379,70.485 111.379,67.963 112.159,67.183 J20.1@112.776,67.183
VDD_UART2: C69.2 J21.1 L3.2 L5.2 L7.2 | length 7.7
  Top Layer w1: L3.2@42.594,47.907 L7.2@42.594,49.657 ; L5.2@42.594,51.031 L7.2@42.594,49.657 ; J21.1@47.117,49.53 C69.2@44.455,49.53 42.721,49.53 L7.2@42.594,49.657
pads on no net: D11.2 D14.2 D44.2 Fid1.Un1 Fid2.Un1 Fid3.Un1 H1.B3,0 H2.B3,0 H3.B3,0 H4.B3,0 H5.B3,0 H6.B3,0 H7.B3,0 H8.B3,0 H9.B3,0 H10.B3,0 H11.B3,0 J1.4 J1.P$1 J1.P$2 J1.P$8 J1.P$9 J1.P$10 J1.P$11 J1.P$12 J1.P$13 U8.4 U8.7 U8.8 U8.11 U8.13 U8.14 U8.17 U8.18

## Polygon pours and split planes (outlines as drawn)
GND on Top Layer "GND_L01_P004" (solid, remove dead copper, pour order 4): 0,140 0,0 116,0 116,140
no net on Top Layer "NONET_L01_P003" (solid, remove dead copper, pour order 3): 16.129,26.543 16.129,28.067 15.875,28.321 15.875,29.337 20.955,29.337 29.21,37.592 29.21,38.735 34.163,43.688 39.751,43.688 39.751,48.324 39.844,48.417 41.644,48.417 41.644,39.255 47.498,33.401 47.498,29.718 40.831,29.718 40.386,29.273 40.386,27.813 39.878,27.813 39.878,29.464 39.116,30.226 39.116,33.147 29.591,33.147 24.638,28.194 17.272,28.194 16.764,27.686 16.764,26.543
no net on Top Layer "NONET_L01_P002" (solid, remove dead copper, pour order 2): 16.129,26.543 16.129,28.067 15.875,28.321 15.875,29.337
GND on Bottom Layer "GND_L02_P005" (solid, remove dead copper, pour order 5): 0,140 0,0 116,0 116,140

## Keep-outs
Keep-Out Layer:
  lines w0.1: 0,0 26,0 26,15 51,15 51,0 116,0 116,140 44,140 44,132 35,132 35,125 15,125 15,140 0,140 0,0
  lines w0.2: 0,0 26,0 ; 0,0 0,140 ; 0,0 26,0 ; 0,0 0,140 ; 0,140 15,140 ; 0,140 15,140 ; 15,125 35,125 ; 15,125 15,140 ; 15,125 35,125 ; 15,125 15,140 ; 26,0 26,15 ; 26,0 26,15 ; 26,15 51,15 ; 26,15 51,15 ; 35,125 35,132 ; 35,125 35,132 ; 35,132 44,132 ; 35,132 44,132 ; 44,132 44,140 ; 44,132 44,140 ; 44,140 116,140 ; 44,140 116,140 ; 51,0 51,15 ; 51,0 116,0 ; 51,0 51,15 ; 51,0 116,0 ; 57.016,21.678 61.016,21.678 ; 57.016,21.678 57.016,37.719 ; 57.016,21.678 61.016,21.678 ; 57.016,21.678 57.016,37.719 ; 57.016,37.719 61.016,37.719 ; 57.016,37.719 61.016,37.719 ; 57.016,69.215 61.016,69.215 ; 57.016,69.215 57.016,85.776 ; 57.016,69.215 61.016,69.215 ; 57.016,69.215 57.016,85.776 ; 57.016,85.776 61.016,85.776 ; 57.016,85.776 61.016,85.776 ; 61.016,21.678 61.016,37.719 ; 61.016,21.678 61.016,37.719 ; 61.016,69.215 61.016,85.776 ; 61.016,69.215 61.016,85.776 ; 116,0 116,140 ; 116,0 116,140 ; 52.832,116.332 60.832,116.332 60.832,132.654 57.536,132.654 57.531,132.659 57.531,134.747 52.832,134.747 52.832,116.332

## Other copper
Top Layer:
  rectangle net VDD_SYS: 4.05,26.85 7.75,29.4
  rectangle net VDD_3.3V: 11.475,18.875 17.9,29.475
  rectangle net VDD_5V: 27.95,19.675 31.675,24.9
  rectangle net VDD_5V: 33.475,31.425 36.125,35.725
  region net VDD_SYS: 20.275,28.525 20.275,32.2 25.088,32.2 29.083,36.195 29.083,38.862 34.721,44.5 39.703,44.5 39.703,48.276 39.844,48.417 41.644,48.417 41.644,42.031 45.575,38.1 45.575,32.2 38.5,32.2 38.5,35.525 41.529,35.525 41.529,37.465 33.515,37.465 24.575,28.525
  region net NetD1_2: 22.352,52.959 22.352,46.863 38.481,46.863 38.481,50.419 34.163,50.419 31.623,52.959
  pour cut-out: 98.257,138.722 98.257,134.912 100.797,134.912 100.797,138.722
  region net VDD_5V: 33.325,32.4 29.507,32.4 29.507,17.907 32.301,17.907 32.301,23.495 33.325,24.519
  region net VDD_SYS: 10.033,29.591 5.969,29.591 5.969,16.637 8.763,16.637 8.763,22.225 10.033,23.495
  region net VBUS: 4.191,123.19 5.461,123.19 6.477,124.206 7.62,124.206 7.62,122.809 4.191,122.809

## Silkscreen, mask and mechanical layers (free items; w line width, h text height)
Top Overlay:
  circle w0.1: c92.583,65.659 r0.55
  circle w0.2: c86.723,68.707 r2.2
  rectangle: 81.603,60.66 82.527,64.793
  rectangle: 89.338,60.66 91.647,62.576
  rectangle: 83.82,59.737 90.724,60.949
  rectangle: 82.527,59.737 83.82,65.74
  rectangle: 83.82,64.516 91.462,65.74
  region: 81.603,60.66 ccw(c82.527,60.66) 82.527,59.737 82.527,60.66
  region: 82.55,65.74 ccw(c82.55,64.793) 81.603,64.793 82.55,64.793
  region: 91.647,60.66 cw(c90.724,60.66) 90.724,59.737 90.724,60.66
  lines w0.2: 6.987,110.249 8.638,113.551 8.714,113.322 ; 7.177,110.249 8.749,113.392 8.835,113.132 7.399,110.258 ; 7.624,110.288 9,113.11 ; 7.809,110.245 9.092,112.86 ; 8.006,110.282 9.217,112.702 ; 8.203,110.252 9.309,112.529 ; 8.406,110.266 9.401,112.363 ; 8.601,110.248 9.497,112.169 ; 8.799,110.273 9.591,112.006 ; 8.992,110.283 9.666,111.813 ; 9.205,110.288 9.779,111.649 ; 9.408,110.273 9.888,111.466 ; 9.586,110.268 9.992,111.248 ; 9.77,110.258 10.09,111.049 ; 9.987,110.293 10.186,110.803 ; 10.161,110.332 10.289,110.63 ; 10.329,110.323 10.334,110.56 ; 60.833,6.35 59.182,6.35 57.15,8.382 57.15,16.383 57.277,16.51 69.596,16.51 ; 68.961,101.473 79.248,101.473 ; 68.961,104.013 79.248,104.013 ; 68.961,106.475 79.326,106.475 ; 68.961,109.093 79.248,109.093 ; 73.914,6.35 72.771,7.493 72.771,15.491 71.752,16.51 70.866,16.51 88.138,16.51 ; 84.523,68.706 88.923,68.707 ; 85.192,70.287 ccw(c86.715,71.815) 88.246,70.296 ; 85.194,67.112 cw(c86.725,65.593) 88.247,67.12 ; 86.715,70.898 cw(c85.12,68.707) 86.716,66.516 ; 86.723,70.907 86.724,66.507 ; 86.731,70.898 ccw(c88.326,68.707) 86.732,66.515 ; 86.741,6.35 85.979,7.112 85.979,10.541 86.44,11.002 86.44,12.954 100.203,12.954 ; 100.33,23.114 107.28,23.114 108.458,23.114 108.698,23.354 108.698,24.532 109.566,25.4 ; 103.782,81.018 107.315,81.026 ; 108.183,26.67 109.453,26.67 ; 108.204,29.337 109.474,29.337 ; 108.839,28.702 108.839,29.972 ; 109.566,9.484 107.102,9.484 106.299,10.287 106.299,12.319 100.838,12.319 100.838,17.399 104.521,17.399 104.521,22.554 104.674,22.707 109.566,22.707 ; 115.916,7.874 115.916,14.865 ; 4.337,65.932 54.337,65.932 54.337,115.932 4.337,115.932 4.337,65.932 ; 6.86,110.249 8.638,113.805 10.543,110.249 6.86,110.249 ; 90.805,36.83 101.092,36.83 101.092,44.958 90.805,44.958 90.805,36.83
  text "BMS CON" at 45.766,136.19 h1.5
  text "3V3" at 109.16,128.904 h0.8 r90
  text "USB" at 2.459,128.316 h1.5
  text "ZRX" at 109.147,126.2 h0.8 r90
  text "ZTX" at 109.147,123.7 h0.8 r90
  text "GND" at 109.147,120.977 h0.8 r90
  text "C" at 18.034,118.745 h5.08
  text "1" at 27.178,118.16 h5.08
  text "p" at 29.464,118.11 h6.5
  text "Motor A CON" at 61.62,112.276 h1.5
  text "ZDIN TO J49TX" at 69.161,109.293 h0.8
  text "ZDIN TO MCUTX" at 69.239,106.675 h0.8
  text "ZDOUT TO MCURX" at 69.161,104.213 h0.8
  text "ZDOUT TO J49RX" at 69.161,101.673 h0.8
  text "GPIO" at 109.301,68.753 h1.5 r90
  text "VDD" at 107.485,66.832 h0.8
  text "Motor B CON" at 66.191,66.743 h1.5
  text "R" at 92.313,65.357 h1
  text "TXD" at 107.526,64.292 h0.8
  text "3V3" at 104.095,63.496 h0.8
  text "RXD" at 107.485,61.752 h0.8
  text "5V" at 104.257,61.738 h0.8
  text "VSYS" at 103.634,60.187 h0.8
  text "CTS" at 107.485,59.212 h0.8
  text "Ganges Internationale" at 81.022,58.519 h1.2
  text "Main Board V1.1" at 8.001,57.531 h2
  text "RTS" at 107.485,56.672 h0.8
  text "GPIO" at 106.977,54.132 h0.8
  text "TXD" at 45.485,53.875 h0.8 r90
  text "VDD" at 42.945,53.833 h0.8 r90
  text "RXD" at 48.025,53.833 h0.8 r90
  text "CTS" at 50.565,53.833 h0.8 r90
  text "RTS" at 53.105,53.833 h0.8 r90
  text "GPIO" at 55.645,53.833 h0.8 r90
  text "GPIO" at 58.185,53.833 h0.8 r90
  text "GND" at 60.725,53.833 h0.8 r90
  text "GPIO" at 106.977,51.592 h0.8
  text "3V3" at 35.84,50.82 h0.8
  text "USART1" at 105.999,49.703 h1.5 r90
  text "5V" at 36.002,49.062 h0.8
  text "GND" at 107.485,49.052 h0.8
  text "VSYS" at 41.983,44.65 h0.8
  text "USART2" at 58.72,43.734 h1.5
  text "Config" at 102.069,43.112 h1.5
  text "UART" at 102.069,40.707 h1.5
  text "5V FAN" at 107.742,38.562 h1.5 r270
  text "GND" at 91.259,37.284 h0.8
  text "RX" at 94.244,37.284 h0.8
  text "TX" at 96.593,37.284 h0.8
  text "3V3" at 98.752,37.284 h0.8
  text "24V" at 15.599,37.175 h1
  text "GND" at 18.14,37.186 h1
  text "5V" at 21.025,37.186 h1
  text "4P" at 88.592,37.157 h0.8
  text "24V" at 43.746,35.373 h1
  text "GND" at 46.287,35.385 h1
  text "3.3V" at 48.827,35.385 h1
  text "BUZZER" at 100.503,23.414 h1.5
  text "BLACK1" at 105.102,21.663 h0.8
  text "BLACK2" at 105.102,19.758 h0.8
  text "Motor C CON" at 57.323,19.223 h1.5
  text "3.3V" at 22.85,18.961 h1
  text "GND" at 25.39,18.961 h1
  text "5V" at 28.2,18.961 h1
  text "BLACK3" at 105.229,17.472 h0.8
  text "Proximity Sensor" at 70.912,16.802 h1.5
  text "Limit Switch" at 57.109,16.77 h1.5
  text "4CH" at 101.011,15.032 h1.5
  text "BLACK4" at 105.229,14.932 h0.8
  text "DM860D CON" at 86.533,13.254 h1.5
  text "SENSOR" at 101.265,12.873 h1.5
  text "3.3V" at 8.174,11.603 h1.5
  text "5V" at 18.969,11.603 h1.5
  text "24V" at 106.626,11.503 h0.8
  text "GND" at 106.647,9.957 h0.8
  text "5V" at 109.194,6.804 h0.8 r90
  text "I/O" at 63.961,6.76 h0.8
  text "I/O" at 66.501,6.76 h0.8
  text "PUL+" at 106.858,6.752 h0.8 r90
  text "GND" at 61.082,6.703 h0.8
  text "5V" at 69.062,6.703 h0.8
  text "GND" at 74.163,6.703 h0.8
  text "DIR+" at 104.523,6.707 h0.8 r90
  text "PUL-" at 105.69,6.707 h0.8 r90
  text "GND" at 108.026,6.698 h0.8 r90
  text "I/O" at 77.035,6.664 h0.8
  text "I/O" at 79.702,6.664 h0.8
  text "5V" at 82.242,6.677 h0.8
  text "ENA-" at 101.019,6.668 h0.8 r90
  text "ENA+" at 102.187,6.668 h0.8 r90
  text "DIR-" at 103.355,6.668 h0.8 r90
Mechanical 1:
  lines w0.2: 57.531,132.659 57.531,134.747 52.832,134.747 52.832,116.332 60.832,116.332 60.832,132.654 57.536,132.654 ; 0,0 26,0 26,15 51,15 51,0 116,0 116,140 44,140 44,132 35,132 35,125 15,125 15,140 0,140 0,0 ; 57.016,21.678 57.016,37.719 61.016,37.719 61.016,21.678 57.016,21.678 ; 57.016,69.215 61.016,69.215 61.016,85.776 57.016,85.776 57.016,69.215
Mechanical 13:
  lines w0.2: 58,45 128,45 128,0 58,0 ; 58,47.5 128,47.5 128,92.5 58,92.5 ; 58,0 -12,0 -12,140 58,140 ; 58,0 58,140 ; 58,140 58,95 128,95 128,140 58,140

## Text inside footprints (layer, text, board x,y; h text height)
H1: Mechanical 19 "3,0" at 2.73,-0.31 h1.97
H2: Mechanical 19 "3,0" at 53.23,-0.31 h1.97
H3: Mechanical 19 "3,0" at 60.23,132.69 h1.97
H4: Mechanical 19 "3,0" at 2.73,132.69 h1.97
H5: Mechanical 19 "3,0" at 2.73,66.19 h1.97
H6: Mechanical 19 "3,0" at 53.23,37.69 h1.97
H7: Mechanical 19 "3,0" at 110.73,-0.31 h1.97
H8: Mechanical 19 "3,0" at 60.23,94.69 h1.97
H9: Mechanical 19 "3,0" at 110.73,132.69 h1.97
H10: Mechanical 19 "3,0" at 110.73,37.69 h1.97
H11: Mechanical 19 "3,0" at 110.73,94.69 h1.97
J28: Mechanical 13 "PCB Edge" at 115.492,108.728 h0.61 r90